# Altium PCB universky2.PcbDoc
Units mil, origin at the board's own origin, x right, y up, seen from the top; angles counter-clockwise.
Board outline 2265.45 x 1390.45 mil, 4 copper layers (Top Layer, GND, 3.3V, Bottom Layer); 67 components, 100 nets, 402 pads, 122 vias.
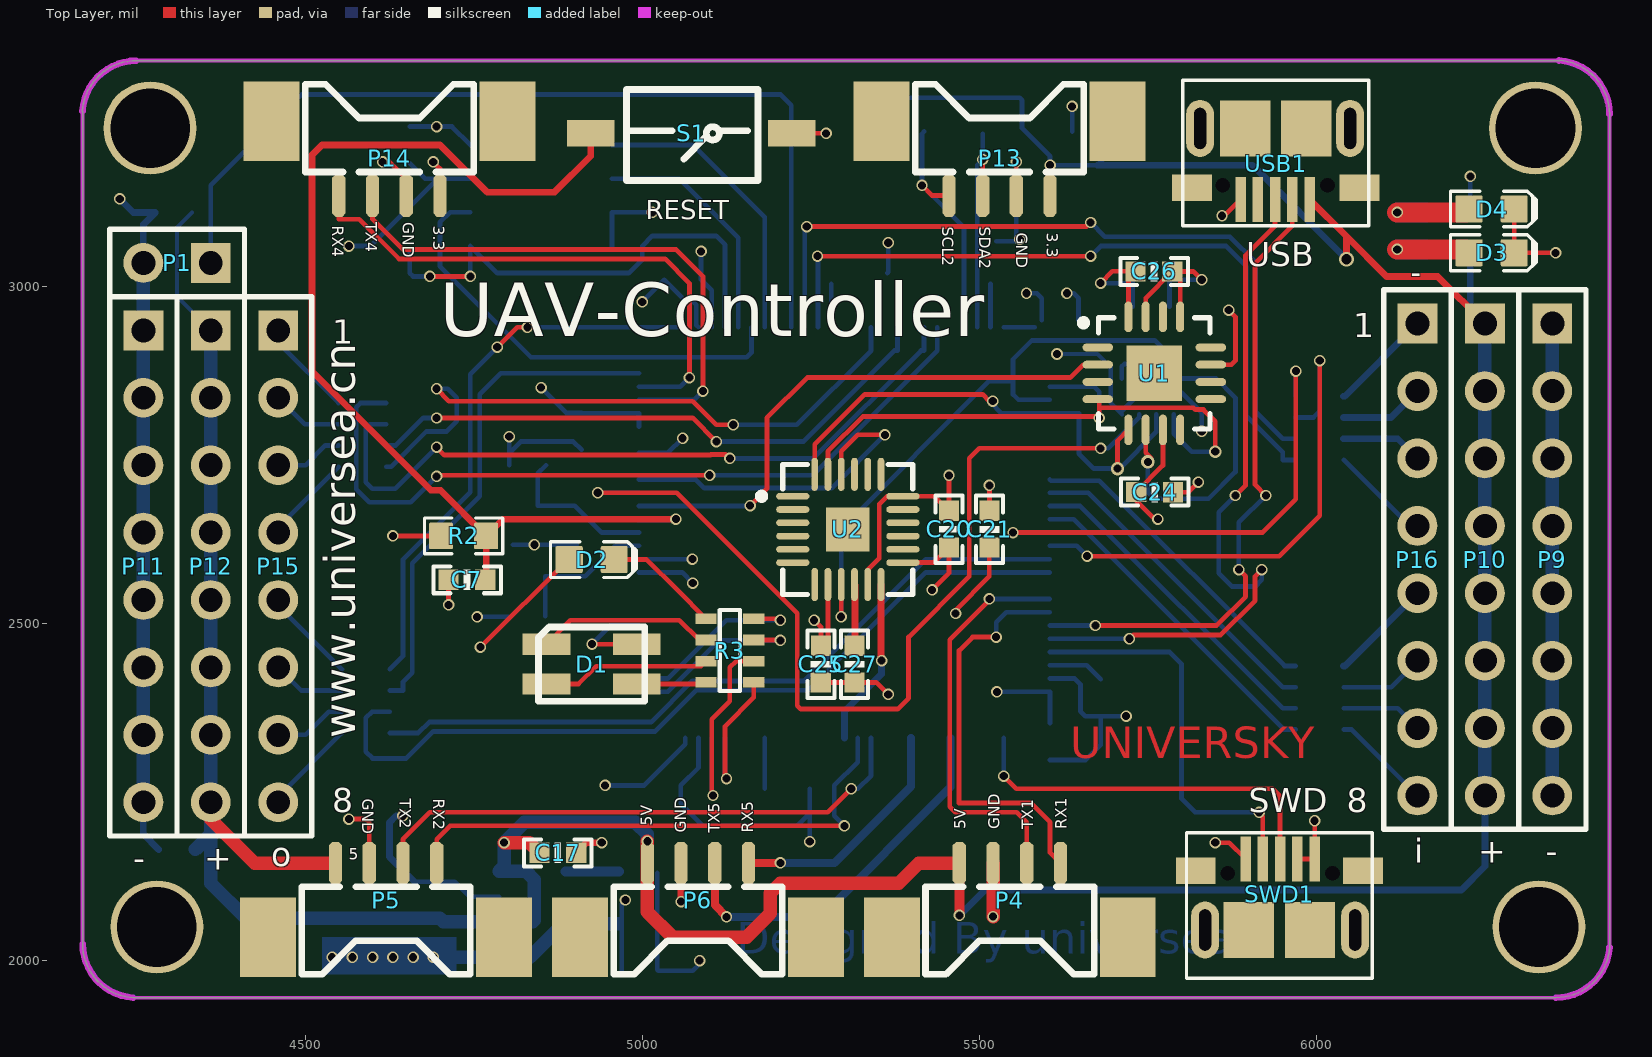
[diagram p0: Top Layer view]
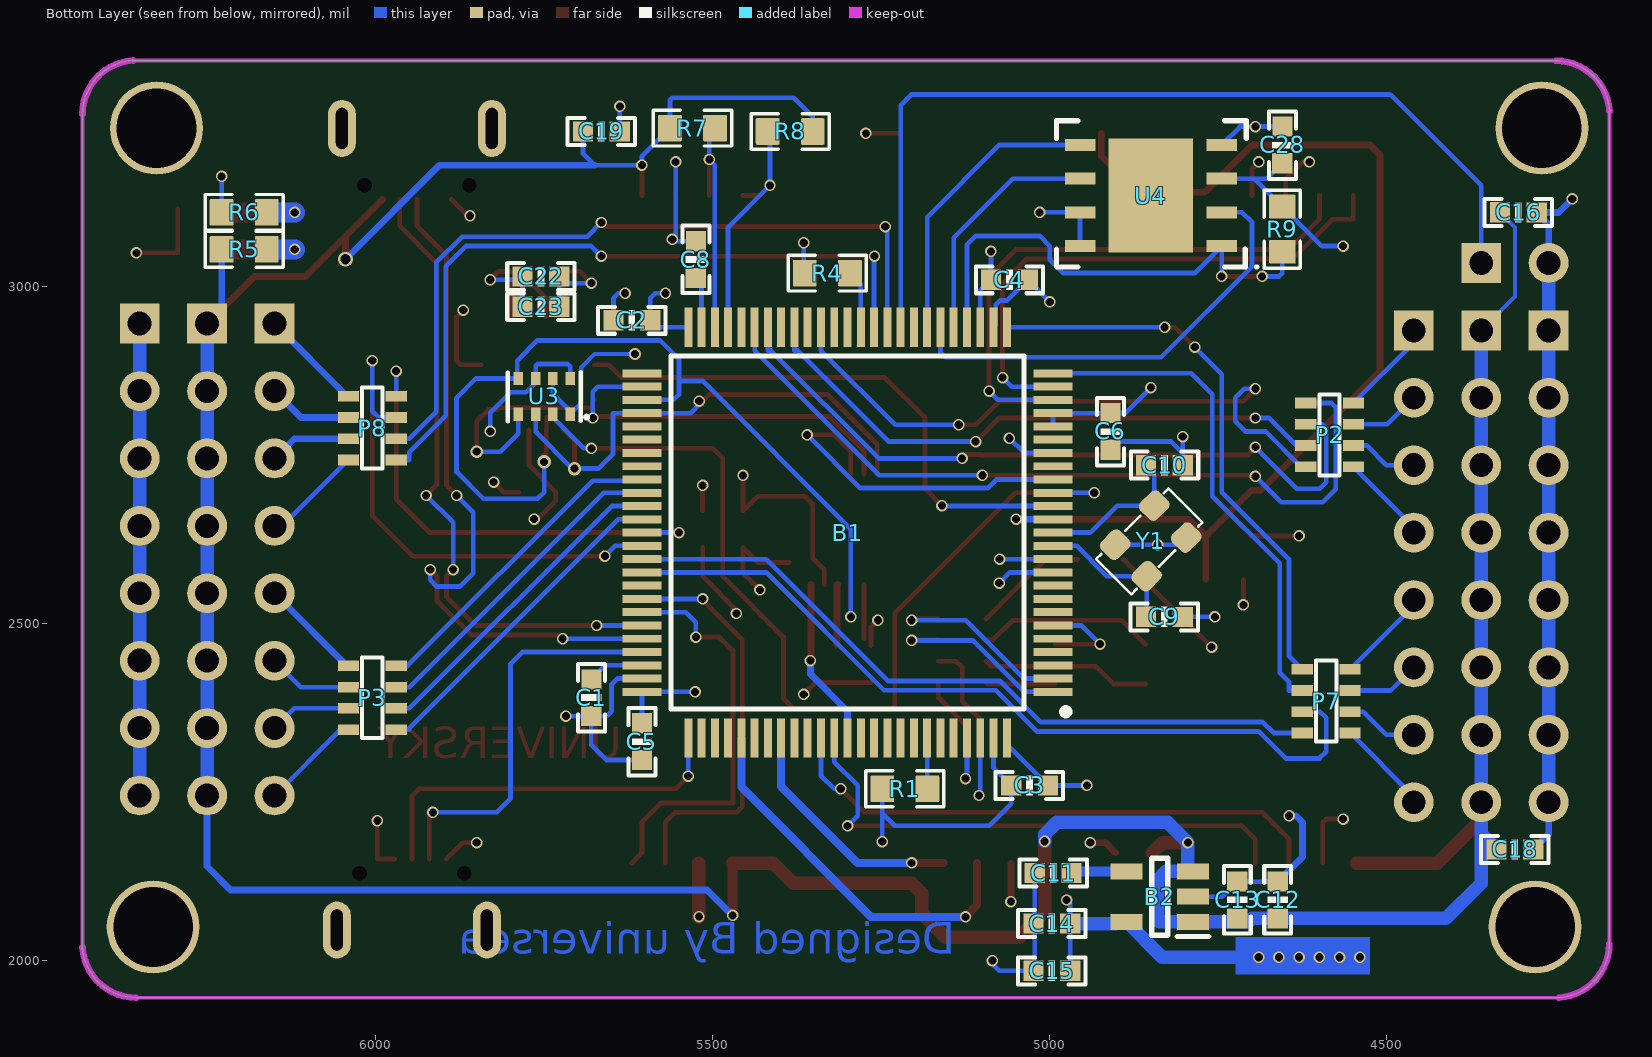
[diagram p1: Bottom Layer view, seen from below]
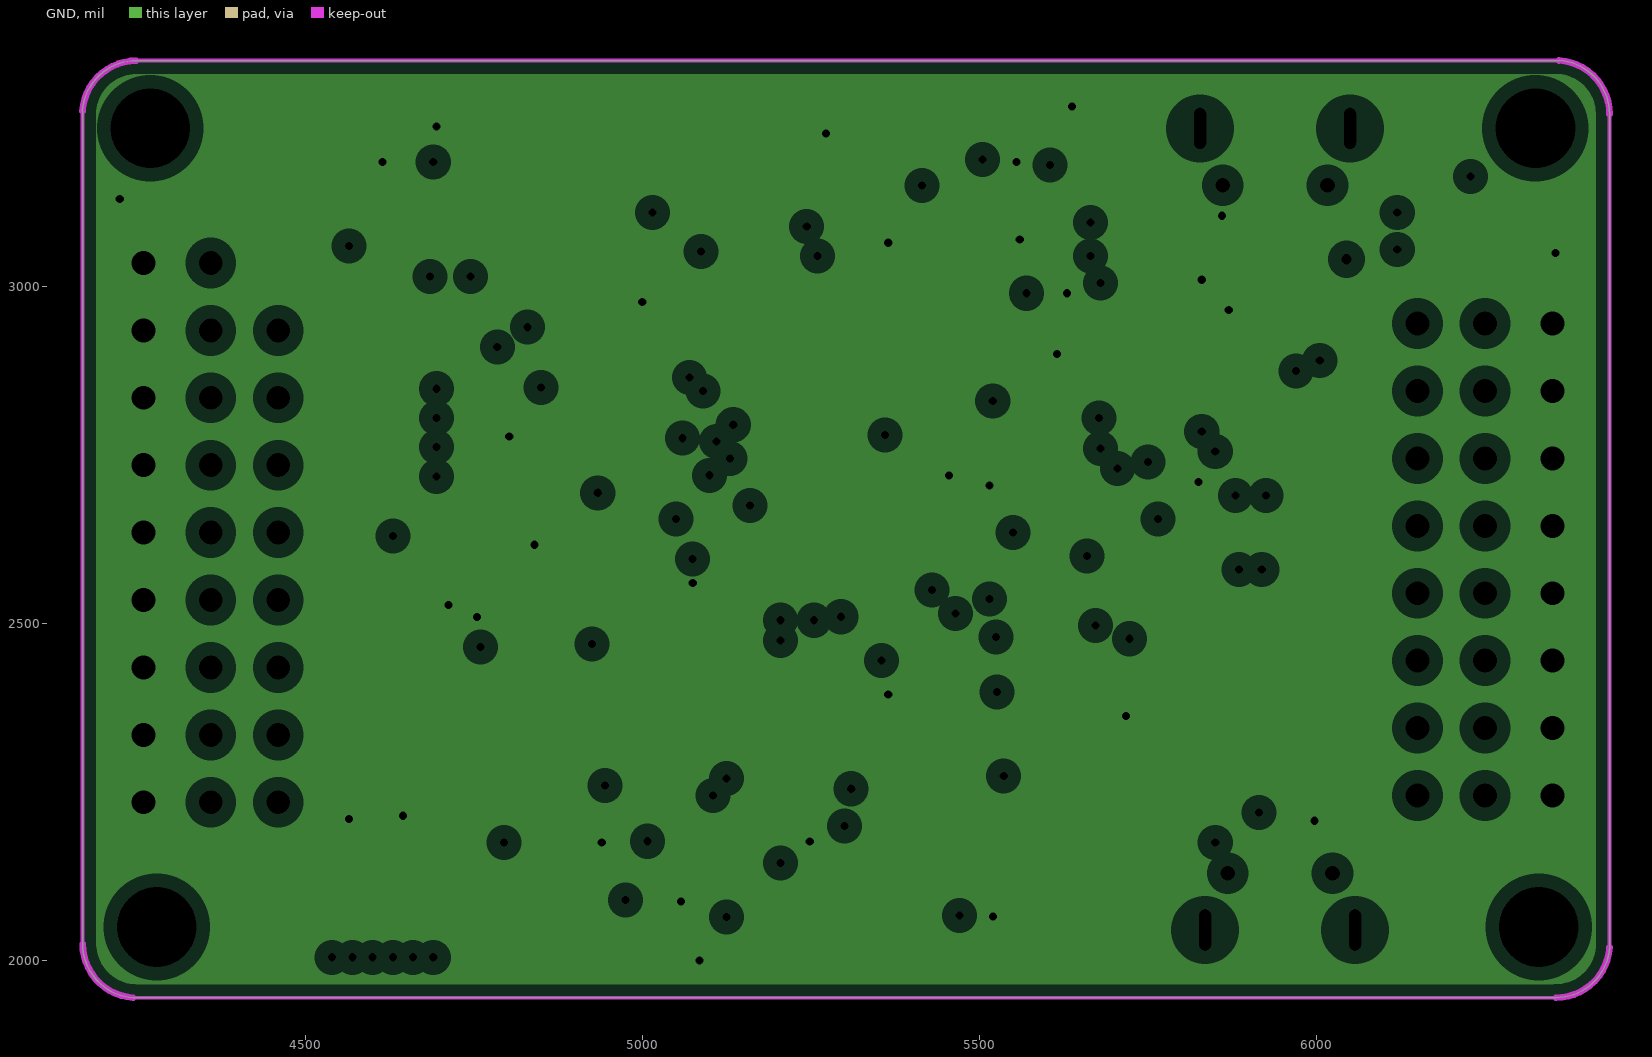
[diagram p2: GND, clearances drawn from the general rule]
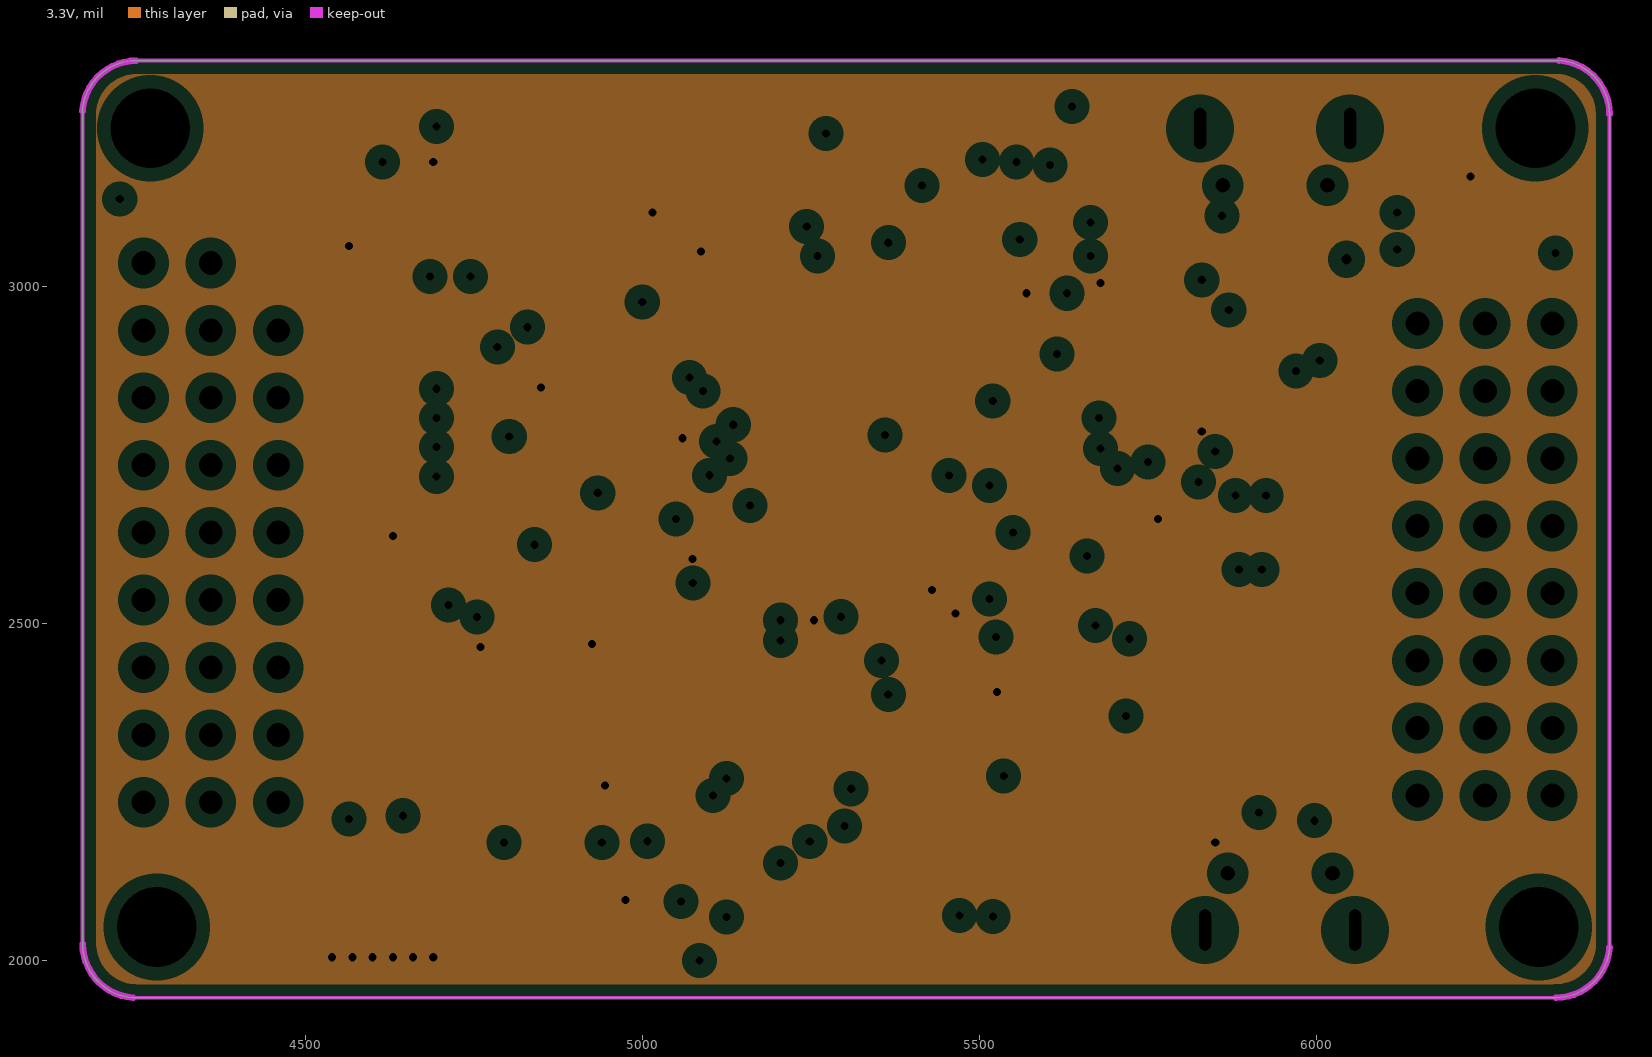
[diagram p3: 3.3V, clearances drawn from the general rule]

## Layer stack, top to bottom
Top Solder: solder mask 0.4, Solder Resist, Dk 3.5
Top Layer: signal copper 1.4
Dielectric1: core 12.6, FR-4, Dk 4.8
GND: plane copper 1.4
Dielectric5: prepreg 12.6, FR-4, Dk 4.8
3.3V: plane copper 1.4
Dielectric6: core 12.6, FR-4, Dk 4.8
Bottom Layer: signal copper 1.4
Bottom Solder: solder mask 0.4, Solder Resist, Dk 3.5

## Board outline
4170,2025 ccw(c4250,2025) 4244.89,1945.16 4244.89,1945 6355.16,1945 6355.16,1945.11 ccw(c6355.16,2025.11) 6435,2020 6435,3255.62 6434.92,3255.62 ccw(c6354.92,3255.62) 6360.03,3335.45 6360.03,3335 4249.38,3335 4249.38,3334.92 ccw(c4249.38,3254.92) 4169.55,3260.03 4170,3260.03

## Design rules (kind name [scope] priority, off if disabled: settings)
Clearance [All] p1: gap=6 ignorepadtopadclearanceinfootprint=FALSE except(0: Arc-Hole Track-Hole SMDPad-Hole THPad-Hole Via-Hole Fill-Hole Poly-Hole Region-Hole Text-Hole)
ComponentClearance [All] p1: gap=0 collisioncheckmode=3 verticalgap=0 showdistances=FALSE
Length "InNet('SWCLK') Or InNet('SWDIO')_4" [InNet('SWCLK') Or InNet('SWDIO')] p1: maxlimit=580 minlimit=550
Length "InNet('PH0_OSC_IN') Or InNet('PH1_OSC_OUT')" [InNet('PH0_OSC_IN') Or InNet('PH1_OSC_OUT')] p2: maxlimit=240 minlimit=220
Length "InNet('SPI2_MOSI') Or InNet('SPI2_SCK')" [InNet('SPI2_MOSI') Or InNet('SPI2_SCK')] p3: maxlimit=690 minlimit=670
Length "InNet('SWCLK') Or InNet('SWDIO')_3" [InNet('SWCLK') Or InNet('SWDIO')] p4: maxlimit=485 minlimit=450
Length "InNet('SWCLK') Or InNet('SWDIO')_2" [InNet('SWCLK') Or InNet('SWDIO')] p5: maxlimit=480 minlimit=450
Length "InNet('SWCLK') Or InNet('SWDIO')_1" [InNet('SWCLK') Or InNet('SWDIO')] p6: maxlimit=436 minlimit=420
Length "InNet('AUX_CL') Or InNet('AUX_DA')_1" [InNet('AUX_CL') Or InNet('AUX_DA')] p7: maxlimit=556 minlimit=520
Length "InNet('AUX_CL') Or InNet('AUX_DA')" [InNet('AUX_CL') Or InNet('AUX_DA')] p8: maxlimit=560 minlimit=520
Length "InNet('AUX_DA') Or InNet('AUX_CL')" [InNet('AUX_DA') Or InNet('AUX_CL')] p9: maxlimit=290 minlimit=360
Length "InNet('I2C1_SDA') Or InNet('I2C1_SCL')" [InNet('I2C1_SDA') Or InNet('I2C1_SCL')] p10: maxlimit=712 minlimit=650
Length "InNet('SWCLK') Or InNet('SWDIO')" [InNet('SWCLK') Or InNet('SWDIO')] p11: maxlimit=420 minlimit=380
PlaneClearance [All] p1: clearance=20
PlaneConnect [All] p1: planeconnectstyle=Relief reliefexpansion=20 reliefentries=4 reliefconductorwidth=10 reliefairgap=10
PolygonConnect [All] p1: connectstyle=Relief reliefconductorwidth=10 reliefentries=4 polygonreliefangle="90 Angle" airgapwidth=10
RoutingVias [All] p1: holewidth=28 width=50 viastyle="Through Hole" minholewidth=28 minwidth=50 maxholewidth=28 maxwidth=50
SilkToSilkClearance [All] p1: silktosilkclearance=0
SilkToSolderMaskClearance [IsPad] p1: minsilkscreentomaskgap=0 clearancetoexposedcopper=TRUE
SolderMaskExpansion [All] p1: expansion=4
Width [All] p1: maxlimit=100 minlimit=6 preferedwidth=10 minimp=50.000000 maximp=50.000000 favimp=50.000000
25 further rules are at their usual default settings.

## Classes and differential pairs
component class universky-SENSOR: C21 C22 C23 C24 C25 C26 C27 C28 C29 R12 U1 U2 U3 U4
component class universky-POWER: B2 C11 C13 C14 C15 C16 C17 D3 D4 P1 R5 R6 R7 R11 R12
component class universky-MCU: B1 C1 C2 C3 C4 C5 C6 C7 C8 C9 C10 D1 D2 R1 R2 R3 R4 S1 SWD1 USB1 Y1
component class universky-CONNECTOR: C17 C18 C19 C20 P2 P3 P4 P5 P6 P7 P8 P9 P10 P11 P12 P13 P14 P15 P16 R7 R11

## Components (designator, comment, footprint, x,y, rotation, side; value= is the part's Value field where it differs from the comment)
B1 "STM32F407VGT6" QFP50P1600X1600X160-100N 5300,2635 r0 bottom
B2 "MIC5219-3.3YM5_TR" SOT95P280X145-5N 4836.81,2095 r0 bottom
C1 "Cap" 0603_C 5680,2390 r270 bottom
C2 "Cap" 0603_C 5620,2950 r180 bottom
C3 "Cap" 0603_C 5030,2260 r180 bottom
C4 "Cap" 0603_C 5060,3010 r0 bottom
C5 "Cap" 0603_C 5605,2325 r90 bottom
C6 "Cap" 0603_C 4910,2785 r90 bottom
C7 "Cap" 0603_C 4740,2565 r180 top
C8 "Cap" 0603_C 5525,3040 r270 bottom
C9 "22pF" 0603_C 4830,2510 r180 bottom
C10 "22pF" 0603_C 4830,2735 r0 bottom
C11 "Cap" 0603_C 4995,2130 r0 bottom
C12 "Cap" 0603_C 4661.81,2090 r270 bottom
C13 "Cap" 0603_C 4721.81,2090 r270 bottom
C14 "Cap" 0603_C 4996.81,2055 r180 bottom
C15 "Cap" 0603_C 4996.81,1985 r180 bottom
C16 "Cap" 0603_C 4305,3110 r180 bottom
C17 "Cap" 0603_C 4875,2160 r0 top
C18 "Cap" 0603_C 4310,2165 r180 bottom
C19 "Cap" 0603_C 5665,3230 r180 bottom
C20 "Cap" 0603_C 5455,2640 r90 top
C21 "Cap" 0603_C 5515,2640 r90 top
C22 "Cap" 0603_C 5755,3015 r0 bottom
C23 "Cap" 0603_C 5755,2970 r0 bottom
C24 "Cap" 0603_C 5760,2695 r180 top
C25 "Cap" 0603_C 5265,2440 r90 top
C26 "Cap" 0603_C 5759.01,3022.44 r180 top
C27 "Cap" 0603_C 5315,2440 r90 top
C28 "Cap" 0603_C 4655,3210 r90 bottom
D1 "RGB-2" RGB-2 4925,2450 r180 top
D2 "LED0" 0603_LED 4925,2595 r0 top
D3 "LED0" 0603_LED 6260,3050 r0 top
D4 "LED0" 0603_LED 6260,3115 r0 top
P1 "Header 2" HDR1X2 4360,3035 r180 top
P2 "1K排阻" HDR_R_4 4460,2770 r180 bottom
P3 "10K排阻" HDR_R_4 6130,2400 r0 bottom
P4 "USART1" SMD-1.25 5550.35,2084.69 r180 top
P5 "USART2" SMD-1.25 4625,2084.69 r180 top
P6 "USART5" SMD-1.25 5087.68,2084.69 r180 top
P7 "1K排阻" HDR_R_4 4465,2375 r180 bottom
P8 "10K排阻" HDR_R_4 6130,2800 r0 bottom
P9 "Header 8" HDR1X8 6350,2945 r270 top
P10 "Header 8" HDR1X8 6250,2945 r270 top
P11 "Header 8" HDR1X8 4260,2935 r270 top
P12 "Header 8" HDR1X8 4360,2935 r270 top
P13 "I2C" SMD-1.25 5525,3195 r0 top
P14 "I2C" SMD-1.25 4620,3195 r0 top
P15 "Header 8" HDR1X8 4460,2935 r270 top
P16 "Header 8" HDR1X8 6150,2945 r270 top
R1 "Res2" 0603_R 5215,2255 r0 bottom
R2 "RES_10K" 0603_R 4735,2630 r180 top
R3 "100排阻" HDR_R_4 5005,2470 r180 top
R4 "Res2" 0603_R 5330,3020 r180 bottom
R5 "Res2" 0603_R 6195,3055 r180 bottom
R6 "Res2" 0603_R 6195,3110 r180 bottom
R7 "Res2" 0603_R 5530,3235 r180 bottom
R8 "Res2" 0603_R 5385,3230 r0 bottom
R9 "Res2" 0603_R 4655,3085 r90 bottom
S1 "SW-PB" KEY_SMD 5070,3225 r180 top
SWD1 "Header 5" USB_M 5880,1990 r90 top
U1 "AK8975" QFN_16 5754.56,2856.24 r0 top
U2 "ICM20689" QFN_24 5310,2630 r270 top
U3 "SPL06_001" SPL06_001 5790.23,2885.24 r270 bottom
U4 "W25Q32FVZPIG" WDFN_8 4850,3125 r0 bottom
USB1 "Header 5" USB_M 6005,3290 r270 top
Y1 "XATLS" XTAL_3225 4796.92,2626.92 r315 bottom

## Footprints (in the part's own frame and the unit in brackets; to place one, negate y for a bottom-side part, rotate by r counter-clockwise, add the part's x,y. Pads: shape width x height; smd on the part's side, far side on the other; paste and mask are expansions set on the pad)
0603_C [mil]
  rect 30x30 smd: 1(-27.25,0.03) 2(27.25,-0.03)
  silkscreen extent -50,-20 50,20, body extent -33,-18 33,18, height 35
0603_LED [mil]
  rrect10% 40.5x40 smd: 1(-33.46,0)
  rrect10% 40x40 smd: 2(33.46,0)
  silkscreen extent -61,-27 66,27, body extent -31,-16 32,16, height 30
0603_R [mm]
  rrect10% 0.9x1 smd: 1(-0.85,0) 2(0.85,0)
  silkscreen extent -1.47,-0.68 1.47,0.67, body extent -0.85,-0.38 0.85,0.42, height 0.56
HDR1X2 [mm] "Connector; Header; 2 Position"
  rect 1.5x1.5 hole 0.9: 1(0,0)
  round 1.5 hole 0.9: 2(2.54,0)
  silkscreen extent -1.27,-1.27 3.81,1.27
HDR1X8 [mm] "Connector; Header; 8 Position"
  rect 1.5x1.5 hole 0.9: 1(0,0)
  round 1.5 hole 0.9: 2(2.54,0) 3(5.08,0) 4(7.62,0) 5(10.16,0) 6(12.7,0) 7(15.24,0) 8(17.78,0)
  silkscreen extent -1.27,-1.27 19.05,1.27
HDR_R_4 [mm]
  rect 0.8x0.4 smd: 1(-4.075,1.454) 2(-4.075,0.654) 3(-4.075,-0.146) 4(-4.075,-0.946) 5(-2.275,1.454) 6(-2.275,0.654) 7(-2.275,-0.146) 8(-2.275,-0.946)
  silkscreen extent -3.56,-1.27 -2.79,1.78, body extent -3.94,-1.35 -2.34,1.85, height 0.59
KEY_SMD [mm]
  rect 1.8x1 smd: 1(-3.853,-0.056) 2(3.716,-0.056)
  silkscreen extent -2.58,-1.71 2.37,1.72, body extent -4.04,-1.78 3.96,1.72, height 8.02
QFN_16 [mm]
  oval 1.15x0.3 smd: 1(-2.002,1.356) 2(-2.002,0.706) 3(-2.002,0.056) 4(-2.002,-0.594) 9(2.256,-0.594) 10(2.256,0.056) 11(2.256,0.706) 12(2.256,1.356)
  oval 0.3x1.15 smd: 5(-0.848,-1.748) 6(-0.198,-1.748) 7(0.452,-1.748) 8(1.102,-1.748) 13(1.102,2.51) 14(0.452,2.51) 15(-0.198,2.51) 16(-0.848,2.51)
  rect 2.1x2.1 smd: 17(0.127,0.381)
  silkscreen extent -2.66,-1.72 2.23,2.48, body extent -1.97,-1.72 2.2,2.45, height 0.85
QFN_24 [mm]
  oval 0.25x1.25 smd: 1(-1.496,-2.202) 2(-0.996,-2.202) 3(-0.496,-2.202) 4(0.004,-2.202) 5(0.504,-2.202) 6(1.004,-2.202) 13(1.004,1.948) 14(0.504,1.948) 15(0.004,1.948) 16(-0.496,1.948) 17(-0.996,1.948) 18(-1.496,1.948)
  oval 1.25x0.25 smd: 7(1.829,-1.377) 8(1.829,-0.877) 9(1.829,-0.377) 10(1.829,0.123) 11(1.829,0.623) 12(1.829,1.123) 19(-2.321,1.123) 20(-2.321,0.623) 21(-2.321,0.123) 22(-2.321,-0.377) 23(-2.321,-0.877) 24(-2.321,-1.377)
  rect 1.651x1.651 smd: 25(-0.246,-0.127)
  silkscreen extent -2.7,-3.5 2.2,2.32, body extent -2.25,-2.13 1.75,1.87, height 1
QFP50P1600X1600X160-100N [mm]
  rect 1.475x0.3 smd: 1(-7.738,6) 2(-7.738,5.5) 3(-7.738,5) 4(-7.738,4.5) 5(-7.738,4) 6(-7.738,3.5) 7(-7.738,3) 8(-7.738,2.5) 9(-7.738,2) 10(-7.738,1.5) 11(-7.738,1) 12(-7.738,0.5) 13(-7.738,0) 14(-7.738,-0.5) 15(-7.738,-1) 16(-7.738,-1.5) 17(-7.738,-2) 18(-7.738,-2.5) 19(-7.738,-3) 20(-7.738,-3.5) 21(-7.738,-4) 22(-7.738,-4.5) 23(-7.738,-5) 24(-7.738,-5.5) 25(-7.738,-6) 51(7.738,-6) 52(7.738,-5.5) 53(7.738,-5) 54(7.738,-4.5) 55(7.738,-4) 56(7.738,-3.5) 57(7.738,-3) 58(7.738,-2.5) 59(7.738,-2) 60(7.738,-1.5) 61(7.738,-1) 62(7.738,-0.5) 63(7.738,0) 64(7.738,0.5) 65(7.738,1) 66(7.738,1.5) 67(7.738,2) 68(7.738,2.5) 69(7.738,3) 70(7.738,3.5) 71(7.738,4) 72(7.738,4.5) 73(7.738,5) 74(7.738,5.5) 75(7.738,6)
  rect 0.3x1.475 smd: 26(-6,-7.738) 27(-5.5,-7.738) 28(-5,-7.738) 29(-4.5,-7.738) 30(-4,-7.738) 31(-3.5,-7.738) 32(-3,-7.738) 33(-2.5,-7.738) 34(-2,-7.738) 35(-1.5,-7.738) 36(-1,-7.738) 37(-0.5,-7.738) 38(0,-7.738) 39(0.5,-7.738) 40(1,-7.738) 41(1.5,-7.738) 42(2,-7.738) 43(2.5,-7.738) 44(3,-7.738) 45(3.5,-7.738) 46(4,-7.738) 47(4.5,-7.738) 48(5,-7.738) 49(5.5,-7.738) 50(6,-7.738) 76(6,7.738) 77(5.5,7.738) 78(5,7.738) 79(4.5,7.738) 80(4,7.738) 81(3.5,7.738) 82(3,7.738) 83(2.5,7.738) 84(2,7.738) 85(1.5,7.738) 86(1,7.738) 87(0.5,7.738) 88(0,7.738) 89(-0.5,7.738) 90(-1,7.738) 91(-1.5,7.738) 92(-2,7.738) 93(-2.5,7.738) 94(-3,7.738) 95(-3.5,7.738) 96(-4,7.738) 97(-4.5,7.738) 98(-5,7.738) 99(-5.5,7.738) 100(-6,7.738)
  silkscreen extent -8.35,-6.65 6.65,6.87
RGB-2 [mm]
  rect 1.8x0.8 smd: 1(1.7,-0.496) 2(-1.7,-0.496) 3(1.7,1.004) 4(-1.7,1.004)
  silkscreen extent -2,-1.15 2,1.65, body extent -1.75,-1.14 1.75,1.66, height 1.93
SMD-1.25 [mil]
  oct 19.68x62.99 smd: 1(80,-60) 2(30,-60) 3(-20,-60) 4(-70,-60)
  rect 82.68x118.11 smd: 5(180,50) 6(-170,50)
  silkscreen extent -120,-25 130,105, body extent -195,-63 204,103, height 188
SOT95P280X145-5N [mm]
  rect 1.2x0.6 smd: 1(-1.25,0.95) 2(-1.25,0) 3(-1.25,-0.95) 4(1.25,-0.95) 5(1.25,0.95)
  silkscreen extent -1.85,-1.45 0.3,1.5
SPL06_001 [mm]
  rect 0.5x0.35 smd: 1(1.9,2) 2(1.9,1.35) 3(1.9,0.7) 4(1.9,0.05) 5(0.55,0.05) 6(0.55,0.7) 7(0.55,1.35) 8(0.55,2)
  silkscreen extent 0.3,-0.35 2.18,2.69